# Altium PCB mod_duo_x_cb.PcbDoc (continued)
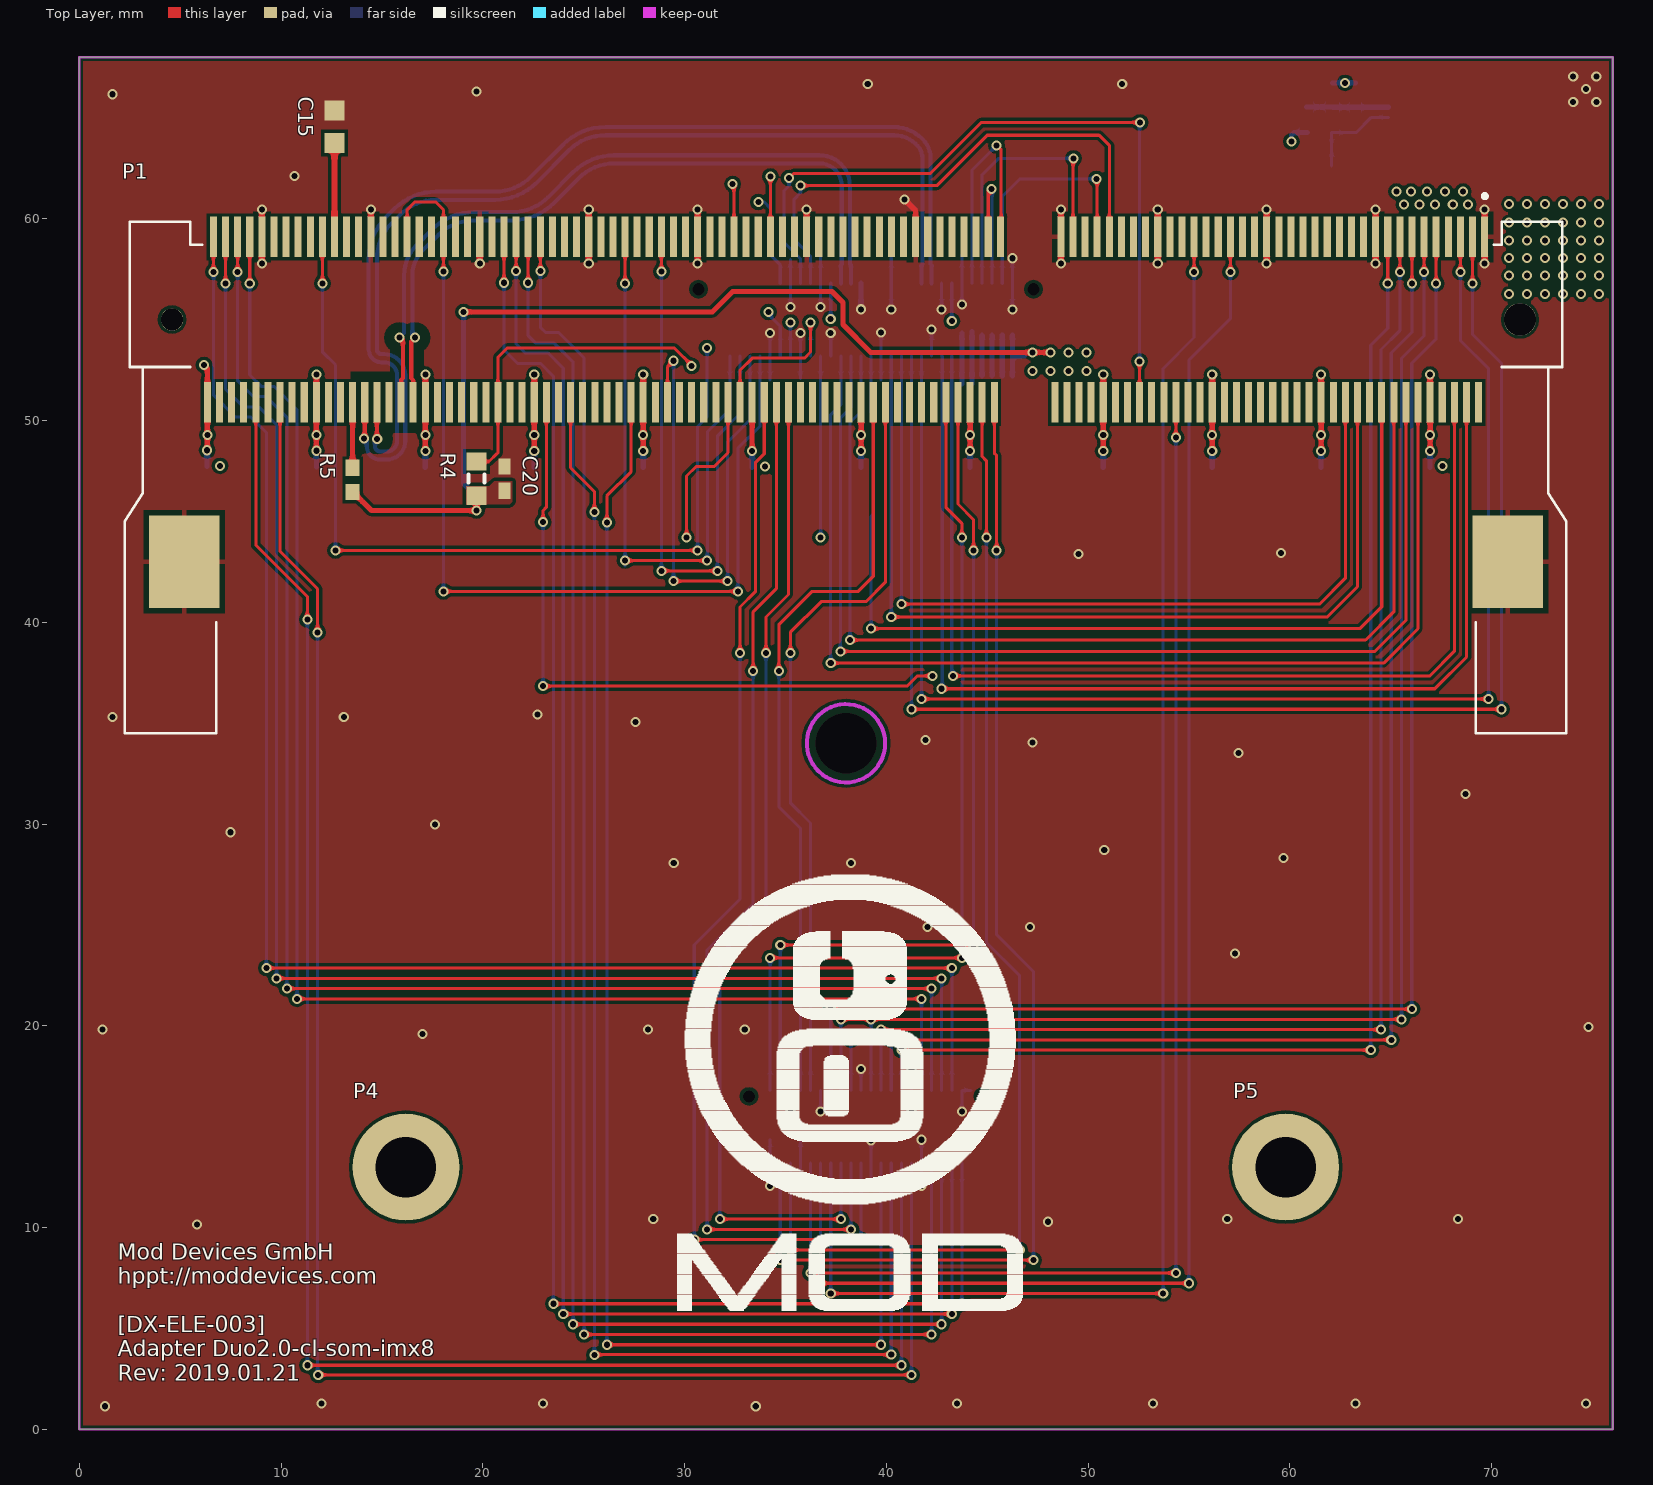
[diagram p0: Top Layer view]
## Footprints (in the part's own frame and the unit in brackets; to place one, negate y for a bottom-side part, rotate by r counter-clockwise, add the part's x,y. Pads: shape width x height; smd on the part's side, far side on the other; paste and mask are expansions set on the pad)
9774030243R [mm]
  round 5.3 smd paste-6: M(0.127,0)
  round 0 hole 3 unplated: M(0.127,0)
  body extent -2.05,-2.17 2.3,2.17, height 3
CAPC1005N [mm] "Chip Capacitor, Body 1.0x0.5mm, IPC Medium Density"
  rect 0.8x0.6 smd: 1(-0.6,0) 2(0.6,0)
  body extent -0.5,-0.25 0.5,0.25, height 0.6
CAPC1608N [mm] "Chip Capacitor, Body 1.6x0.8mm, IPC Medium Density"
  rect 1x1 smd: 1(-0.8,0) 2(0.8,0)
  body extent -0.8,-0.4 0.8,0.4, height 0.9
CAPC2012N [mm] "Chip Capacitor, Body 2.0x1.3mm, IPC Medium Density"
  rect 1.3x1.5 smd: 1(-0.85,0) 2(0.85,0)
  body extent -1,-0.62 1,0.63, height 1
DF12-40 [mm]
  rect 0.3x1.6 smd: 1(4.75,-1.8) 2(4.75,1.8) 3(4.25,-1.8) 4(4.25,1.8) 5(3.75,-1.8) 6(3.75,1.8) 7(3.25,-1.8) 8(3.25,1.8) 9(2.75,-1.8) 10(2.75,1.8) 11(2.25,-1.8) 12(2.25,1.8) 13(1.75,-1.8) 14(1.75,1.8) 15(1.25,-1.8) 16(1.25,1.8) 17(0.75,-1.8) 18(0.75,1.8) 19(0.25,-1.8) 20(0.25,1.8) 21(-0.25,-1.8) 22(-0.25,1.8) 23(-0.75,-1.8) 24(-0.75,1.8) 25(-1.25,-1.8) 26(-1.25,1.8) 27(-1.75,-1.8) 28(-1.75,1.8) 29(-2.25,-1.8) 30(-2.25,1.8) 31(-2.75,-1.8) 32(-2.75,1.8) 33(-3.25,-1.8) 34(-3.25,1.8) 35(-3.75,-1.8) 36(-3.75,1.8) 37(-4.25,-1.8) 38(-4.25,1.8) 39(-4.75,-1.8) 40(-4.75,1.8)
  rect 0.8x1.8 smd: M(-6.45,0) M(6.45,0)
  round 0 hole 0.6: M(-5.8,1.5) M(5.8,1.5)
  body extent -6.55,-2.31 6.55,2.29, height 2.2
DF12-60 [mm]
  rect 0.3x1.6 smd: 1(7.25,-1.8) 2(7.25,1.8) 3(6.75,-1.8) 4(6.75,1.8) 5(6.25,-1.8) 6(6.25,1.8) 7(5.75,-1.8) 8(5.75,1.8) 9(5.25,-1.8) 10(5.25,1.8) 11(4.75,-1.8) 12(4.75,1.8) 13(4.25,-1.8) 14(4.25,1.8) 15(3.75,-1.8) 16(3.75,1.8) 17(3.25,-1.8) 18(3.25,1.8) 19(2.75,-1.8) 20(2.75,1.8) 21(2.25,-1.8) 22(2.25,1.8) 23(1.75,-1.8) 24(1.75,1.8) 25(1.25,-1.8) 26(1.25,1.8) 27(0.75,-1.8) 28(0.75,1.8) 29(0.25,-1.8) 30(0.25,1.8) 31(-0.25,-1.8) 32(-0.25,1.8) 33(-0.75,-1.8) 34(-0.75,1.8) 35(-1.25,-1.8) 36(-1.25,1.8) 37(-1.75,-1.8) 38(-1.75,1.8) 39(-2.25,-1.8) 40(-2.25,1.8) 41(-2.75,-1.8) 42(-2.75,1.8) 43(-3.25,-1.8) 44(-3.25,1.8) 45(-3.75,-1.8) 46(-3.75,1.8) 47(-4.25,-1.8) 48(-4.25,1.8) 49(-4.75,-1.8) 50(-4.75,1.8) 51(-5.25,-1.8) 52(-5.25,1.8) 53(-5.75,-1.8) 54(-5.75,1.8) 55(-6.25,-1.8) 56(-6.25,1.8) 57(-6.75,-1.8) 58(-6.75,1.8) 59(-7.25,-1.8) 60(-7.25,1.8)
  rect 0.8x1.8 smd: M(-8.95,0) M(8.95,0)
  round 0 hole 0.6: M(-8.3,1.5) M(8.3,1.5)
  body extent -9.05,-2.3 9.05,2.3, height 2.2
DMQ0006A [mm]
  rect 0.6x0.25 smd paste+0 mask+0.051: 1(-0.65,0.5) 2(-0.65,0) 3(-0.65,-0.5)
  rect 1.1x0.3 smd paste-0.537 mask-0.051: 4(0.45,-0.5) 5(0.45,0) 6(0.45,0.5)
  silkscreen extent -0.75,-0.9 0.75,0.9, body extent -0.75,-0.75 0.75,0.75, height 1
IHLP-1212AE-11 [mm]
  rect 1.2x1.5 smd: 1(-1.35,0) 2(1.35,0)
  silkscreen extent -1.91,-1.65 1.91,1.65, body extent -1.8,-1.6 1.8,1.6, height 1.55
RESC1005N [mm] "Chip Resistor, Body 1.1x0.5mm, IPC Medium Density"
  rect 0.8x0.7 smd: 1(-0.6,0) 2(0.6,0)
  body extent -0.52,-0.3 0.52,0.3, height 0.34
RESC1608N [mm] "Chip Resistor, Body 1.6x0.8mm, IPC Medium Density"
  rect 0.9x1 smd: 1(-0.85,0) 2(0.85,0)
  silkscreen extent -0.2,-0.4 0.2,0.4, body extent -0.8,-0.45 0.8,0.45, height 0.5
TE_2-2013289-1 [mm]
  rect 2x0.35 smd: 1(-4.1,31.65) 2(4.1,31.35) 3(-4.1,31.05) 4(4.1,30.75) 5(-4.1,30.45) 6(4.1,30.15) 7(-4.1,29.85) 8(4.1,29.55) 9(-4.1,29.25) 10(4.1,28.95) 11(-4.1,28.65) 12(4.1,28.35) 13(-4.1,28.05) 14(4.1,27.75) 15(-4.1,27.45) 16(4.1,27.15) 17(-4.1,26.85) 18(4.1,26.55) 19(-4.1,26.25) 20(4.1,25.95) 21(-4.1,25.65) 22(4.1,25.35) 23(-4.1,25.05) 24(4.1,24.75) 25(-4.1,24.45) 26(4.1,24.15) 27(-4.1,23.85) 28(4.1,23.55) 29(-4.1,23.25) 30(4.1,22.95) 31(-4.1,22.65) 32(4.1,22.35) 33(-4.1,22.05) 34(4.1,21.75) 35(-4.1,21.45) 36(4.1,21.15) 37(-4.1,20.85) 38(4.1,20.55) 39(-4.1,20.25) 40(4.1,19.95) 41(-4.1,19.65) 42(4.1,19.35) 43(-4.1,19.05) 44(4.1,18.75) 45(-4.1,18.45) 46(4.1,18.15) 47(-4.1,17.85) 48(4.1,17.55) 49(-4.1,17.25) 50(4.1,16.95) 51(-4.1,16.65) 52(4.1,16.35) 53(-4.1,16.05) 54(4.1,15.75) 55(-4.1,15.45) 56(4.1,15.15) 57(-4.1,14.85) 58(4.1,14.55) 59(-4.1,14.25) 60(4.1,13.95) 61(-4.1,13.65) 62(4.1,13.35) 63(-4.1,13.05) 64(4.1,12.75) 65(-4.1,12.45) 66(4.1,12.15) 67(-4.1,11.85) 68(4.1,11.55) 69(-4.1,11.25) 70(4.1,10.95) 71(-4.1,10.65) 72(4.1,10.35) 73(-4.1,7.65) 74(4.1,7.35) 75(-4.1,7.05) 76(4.1,6.75) 77(-4.1,6.45) 78(4.1,6.15) 79(-4.1,5.85) 80(4.1,5.55) 81(-4.1,5.25) 82(4.1,4.95) 83(-4.1,4.65) 84(4.1,4.35) 85(-4.1,4.05) 86(4.1,3.75) 87(-4.1,3.45) 88(4.1,3.15) 89(-4.1,2.85) 90(4.1,2.55) 91(-4.1,2.25) 92(4.1,1.95) 93(-4.1,1.65) 94(4.1,1.35) 95(-4.1,1.05) 96(4.1,0.75) 97(-4.1,0.45) 98(4.1,0.15) 99(-4.1,-0.15) 100(4.1,-0.45) 101(-4.1,-0.75) 102(4.1,-1.05) 103(-4.1,-1.35) 104(4.1,-1.65) 105(-4.1,-1.95) 106(4.1,-2.25) 107(-4.1,-2.55) 108(4.1,-2.85) 109(-4.1,-3.15) 110(4.1,-3.45) 111(-4.1,-3.75) 112(4.1,-4.05) 113(-4.1,-4.35) 114(4.1,-4.65) 115(-4.1,-4.95) 116(4.1,-5.25) 117(-4.1,-5.55) 118(4.1,-5.85) 119(-4.1,-6.15) 120(4.1,-6.45) 121(-4.1,-6.75) 122(4.1,-7.05) 123(-4.1,-7.35) 124(4.1,-7.65) 125(-4.1,-7.95) 126(4.1,-8.25) 127(-4.1,-8.55) 128(4.1,-8.85) 129(-4.1,-9.15) 130(4.1,-9.45) 131(-4.1,-9.75) 132(4.1,-10.05) 133(-4.1,-10.35) 134(4.1,-10.65) 135(-4.1,-10.95) 136(4.1,-11.25) 137(-4.1,-11.55) 138(4.1,-11.85) 139(-4.1,-12.15) 140(4.1,-12.45) 141(-4.1,-12.75) 142(4.1,-13.05) 143(-4.1,-13.35) 144(4.1,-13.65) 145(-4.1,-13.95) 146(4.1,-14.25) 147(-4.1,-14.55) 148(4.1,-14.85) 149(-4.1,-15.15) 150(4.1,-15.45) 151(-4.1,-15.75) 152(4.1,-16.05) 153(-4.1,-16.35) 154(4.1,-16.65) 155(-4.1,-16.95) 156(4.1,-17.25) 157(-4.1,-17.55) 158(4.1,-17.85) 159(-4.1,-18.15) 160(4.1,-18.45) 161(-4.1,-18.75) 162(4.1,-19.05) 163(-4.1,-19.35) 164(4.1,-19.65) 165(-4.1,-19.95) 166(4.1,-20.25) 167(-4.1,-20.55) 168(4.1,-20.85) 169(-4.1,-21.15) 170(4.1,-21.45) 171(-4.1,-21.75) 172(4.1,-22.05) 173(-4.1,-22.35) 174(4.1,-22.65) 175(-4.1,-22.95) 176(4.1,-23.25) 177(-4.1,-23.55) 178(4.1,-23.85) 179(-4.1,-24.15) 180(4.1,-24.45) 181(-4.1,-24.75) 182(4.1,-25.05) 183(-4.1,-25.35) 184(4.1,-25.65) 185(-4.1,-25.95) 186(4.1,-26.25) 187(-4.1,-26.55) 188(4.1,-26.85) 189(-4.1,-27.15) 190(4.1,-27.45) 191(-4.1,-27.75) 192(4.1,-28.05) 193(-4.1,-28.35) 194(4.1,-28.65) 195(-4.1,-28.95) 196(4.1,-29.25) 197(-4.1,-29.55) 198(4.1,-29.85) 199(-4.1,-30.15) 200(4.1,-30.45) 201(-4.1,-30.75) 202(4.1,-31.05) 203(-4.1,-31.35) 204(4.1,-31.65)
  round 1.6 hole 1.6 unplated: None(0,33.4)
  round 1.1 hole 1.1 unplated: None(0,-33.4)
  rect 4.6x3.5 smd: SH1(12,32.8) SH2(12,-32.8)
  silkscreen extent -6.22,-35.75 20.5,35.7, body extent -5,-35.8 21.54,35.8, height 5.5
TP_1_MM [mm]
  round 1 smd: 1(0,0)

## Part data
C1 C2 C3 C4 C5 C6 C7 C8 C9 C10 C11 C19 C20: library part GRM155R71H104KE14D, "CAP CER 0.1UF 50V X7R 0402"
C12 C13 C14 C18: library part C2012X7R1A106K125AC, "CAP CER 10UF 10V X7R 0805"
C15: library part LMK107BJ475KAHT, "CAP CER 4.7UF 10V X5R 0603"
C16: library part GRM1555C1H121FA01D, "CAP CER 120PF 50V C0G/NP0 0402"
C17: library part C2012X5R1E475K125AB, "CAP CER 4.7UF 25V X5R 0805"
L1: library part IHLP1212AEERR47M11, "FIXED IND 470NH 6.7A 15 MOHM SMD"
P1: "CONN SKT SODIMM 204POS SMD"
P2: "CONN RECEPT 60POS 3MM SMD 0.5MM"
P3: "CONN RECEPT 40POS 3MM SMD 0.5MM"
P4 P5: "ROUND STANDOFF M2X0.4 STEEL 3MM"
R1: library part RC0402FR-07604KL, "RES SMD 604K OHM 1% 1/16W 0402"
R2 R3 R5: library part RC0402FR-07100KL, "RES SMD 100K OHM 1% 1/16W 0402"
R4: library part ERJ-3GEY0R00V, "RES SMD 0 OHM JUMPER 1/10W 0603"
U1: library part IC_TPS62825DMQR, "IC STEP DOWN CONV 1-5V 2A QFN"

## Free pads (board coordinates)
  round 0 hole 3 unplated: M(38,34)

## Via types
v1: diameter 0.5, hole 0.3, Top Layer to Bottom Layer, tented both sides, 326 vias

## Nets (pads, with @x,y where several pads share a name; then routed paths per layer and width w, separated by ;. In a path a pad name is that pad's centre, name@x,y a point inside that pad or via, vN(x,y) a via of type N, cw(c..) or ccw(c..) an arc to the next point about the centre after c; other vN are vias at no path point)
+4V2: C1.2 C2.2 C3.2 C4.2 C5.2 C6.2 C7.2 C8.2 C9.2 C10.2 C11.2 C12.2 C13.2 C14.2 C16.2 C18.2 C19.2 L1.2 P1.10 P1.28 P1.46 P1.64 P1.78 P1.96 P1.114 P1.132 P1.150 P1.168 P1.186 P1.204 R1.2 | length 52.7
  Top Layer w0.254: v1(6.183,52.748) 6.35,52.581 P1.204 v1(6.35,49.276) 6.35,48.534 v1(6.34,48.524) ; v1(11.75,48.497) v1(11.75,52.287) ; v1(17.15,48.482) P1.168 v1(17.15,52.272) ; v1(22.55,48.482) P1.150 v1(22.55,52.272) ; v1(27.95,48.482) P1.132 v1(27.95,52.272) ; v1(33.35,48.482) P1.114 ; v1(38.75,48.482) P1.96 ; v1(44.15,48.482) P1.78 ; v1(50.75,48.482) P1.64 v1(50.75,52.272) ; v1(56.15,48.482) P1.46 v1(56.15,52.272) ; v1(61.55,48.482) P1.28 v1(61.55,52.272) ; v1(66.95,48.482) P1.10 v1(66.95,52.272)
  Bottom Layer w0.254: C1.2 v1(6.34,48.524) ; C2.2 v1(11.75,48.497) ; C3.2 v1(17.15,48.482) ; C4.2 v1(22.55,48.482) ; C5.2 v1(27.95,48.482) ; C6.2 v1(33.35,48.482) ; C7.2 v1(38.75,48.482) ; C8.2 v1(44.15,48.482) ; C9.2 v1(50.75,48.482) ; C10.2 v1(56.15,48.482) ; C11.2 v1(61.55,48.482) ; R1.2 63.238,66.732 C16.2 ; C19.2 v1(66.95,48.482)
  other v1: 33.989,47.71 6.979,47.752 67.564,47.752 11.75,49.276 17.15,49.276 22.55,49.276 27.94,49.276 38.75,49.276 44.15,49.276 50.75,49.276 56.134,49.276 61.55,49.276 66.95,49.276 70.866,56.261 71.755,56.261 72.644,56.261 73.533,56.261 74.422,56.261 75.311,56.261 70.866,57.18 71.755,57.18 72.644,57.18 73.533,57.18 74.422,57.18 75.311,57.18 70.866,58.053 71.755,58.053 72.644,58.053 73.533,58.053 74.422,58.053 75.311,58.053 70.866,58.928 71.755,58.928 72.644,58.928 73.533,58.928 74.422,58.928 75.311,58.928 70.866,59.801 71.755,59.801 72.644,59.801 73.533,59.801 74.422,59.801 75.311,59.801 70.866,60.72 71.755,60.72 72.644,60.72 73.533,60.72 74.422,60.72 75.311,60.72 62.738,66.732
+5V: C17.2 C20.2 P2.53 P2.55 P2.57 P2.59 R2.1 R4.2 R5.2 U1.1 U1.6 | length 58.7
  Top Layer w0.254: R5.2 14.479,45.53 v1(19.685,45.53) R4.2 ; v1(19.05,55.372) 31.369,55.372 32.385,56.388 37.303,56.388 37.85,55.841 37.85,54.749 39.229,53.37 v1(47.244,53.37) v1(48.133,53.37)
  Bottom Layer w0.254: v1(19.05,55.372) 19.05,46.874 19.685,46.239 v1(19.685,45.53) ; 44.742,52.197 P2.53 44.742,54.229 ; 45.242,52.197 P2.55 45.242,54.229 ; 45.742,52.197 P2.57 45.742,54.229 ; 46.243,52.197 P2.59 ; 46.243,54.229 P2.59 ; 46.851,53.201 P2.59 ; v1(60.071,63.819) 60.071,64.135 60.198,64.262 R2.1
  other v1: 47.244,52.451 48.133,52.451 49.022,52.451 49.911,52.451 49.022,53.37 49.911,53.37 65.659,60.706 66.421,60.706 67.183,60.706 68.072,60.706 68.834,60.706 65.279,61.341 66.001,61.341 66.802,61.341 67.691,61.341 68.58,61.341
ALT_BOOT: P1.185 P2.14 | length 57.7
  Top Layer w0.152: v1(12.05,56.795) P1.185 ; v1(12.7,43.561) v1(30.65,43.561)
  VCC w0.152: v1(31.115,53.594) 31.115,54.102 31.516,54.503 32.913,54.503 33.655,55.245 v1(33.655,60.832)
  Bottom Layer w0.152: v1(12.05,56.795) 12.05,53.406 12.7,52.756 v1(12.7,43.561) ; v1(30.65,43.561) 30.65,49.7 31.115,50.165 v1(31.115,53.594) ; v1(33.655,60.832) 33.938,60.832 34.25,60.52 34.25,58.206 34.742,57.714 P2.14
AVDD33_ETH: P1.2
CHAIN_UART_DE: P1.75 P2.56 | length 7.1
  Top Layer w0.152: P1.75 45.05,61.306 v1(45.212,61.468)
  Bottom Layer w0.152: P2.56 v1@45.242,61.498
CHAIN_UART_RE: P1.73 P2.52 | length 12
  Top Layer w0.152: v1(45.466,63.627) 45.691,63.402 45.691,59.141 P1.73
  Bottom Layer w0.152: P2.52 44.242,62.403 v1(45.466,63.627)
CHAIN_UART_RX: P1.69 P2.54 | length 14.1
  Top Layer w0.152: P1.69 v1@49.25,62.992
  Bottom Layer w0.152: P2.54 44.733,56.81 44.733,62.158 45.568,62.992 v1(49.276,62.992)
CHAIN_UART_TX: P1.65 P2.58 | length 12.2
  Top Layer w0.152: P1.65 v1@50.45,61.976
  Bottom Layer w0.152: P2.58 45.742,61.095 46.624,61.976 v1(50.419,61.976)
CLI_UART_RX: P1.117 P2.13 | length 13.1
  Top Layer w0.152: v1(32.385,61.722) 32.45,61.657 P1.117
  VCC w0.152: v1(32.385,61.722) 33.782,61.722 34.29,61.214 34.29,55.499 v1(34.163,55.372)
  Bottom Layer w0.152: v1(34.163,55.372) 34.163,55.245 34.742,54.666 P2.13
CLI_UART_TX: P1.111 P2.15 | length 12.3
  Top Layer w0.152: P1.111 v1(34.25,62.095)
  VCC w0.152: v1(34.25,62.095) 34.764,61.582 34.764,55.343 v1(35.242,54.864)
  Bottom Layer w0.152: P2.15 v1(35.242,54.864)
CODEC_I2C_SCL: P1.43 P3.11 | length 76.9
  Top Layer w0.152: v1(36.743,7.239) v1(54.991,7.239) ; v1(57.05,57.358) P1.43
  Bottom Layer w0.152: v1(36.743,7.239) P3.11 ; v1(54.991,7.239) 54.991,52.977 57.05,55.036 v1(57.05,57.358)
CODEC_I2C_SDA: P1.49 P3.13 | length 76
  Top Layer w0.152: v1(37.243,6.731) v1(53.721,6.731) ; v1(55.25,57.358) P1.49
  Bottom Layer w0.152: v1(37.243,6.731) P3.13 ; v1(53.721,6.731) 53.721,52.578 55.25,54.107 v1(55.25,57.358)
CODEC_I2S_BCLK: P1.112 P3.19 | length 55
  Top Layer w0.152: v1(30.48,9.398) v1(38.75,9.398) ; v1(32.75,38.481) 32.75,40.751 33.51,41.511 33.51,47.908 33.95,48.348 P1.112
  Bottom Layer w0.152: v1(30.48,9.398) 30.48,24.003 32.75,26.273 v1(32.75,38.481) ; P3.19 38.743,9.405 v1(38.75,9.398)
CODEC_I2S_LRCK: P1.110 P3.17 | length 52.8
  Top Layer w0.152: v1(31.115,9.906) v1(38.243,9.906) ; v1(33.401,37.592) 33.401,40.513 34.55,41.662 P1.110
  Bottom Layer w0.152: v1(31.115,9.906) 31.115,23.749 33.401,26.035 v1(33.401,37.592) ; v1(38.243,9.906) P3.17
CODEC_I2S_MCLK: P1.108 P3.15 | length 50.7
  Top Layer w0.152: v1(31.75,10.414) v1(37.743,10.414) ; v1(34.036,38.481) 34.036,40.259 35.15,41.373 P1.108
  Bottom Layer w0.152: v1@31.743,10.414 31.743,23.488 34.036,25.781 v1(34.036,38.481) ; v1(37.743,10.414) P3.15
CODEC_I2S_SDIN: P1.144 P3.25 | length 71.9
  Top Layer w0.152: P1.144 24.35,47.659 25.527,46.482 v1(25.527,45.466) ; v1(25.527,3.683) 25.543,3.699 v1(40.243,3.699)
  Bottom Layer w0.152: v1(25.527,3.683) v1(25.527,45.466) ; v1(40.243,3.699) P3.25
CODEC_I2S_SDOUT: P1.134 P3.23 | length 69.8
  Top Layer w0.152: v1(26.151,4.192) v1(39.743,4.192) ; v1(26.15,44.946) 26.15,46.263 27.35,47.463 P1.134
  Bottom Layer w0.152: v1(26.151,4.192) v1(26.15,44.946) ; v1(39.743,4.192) P3.23
CODEC_I2S_SPDIF_SDIN: P1.196 P3.27 | length 88.2
  Top Layer w0.152: P1.196 8.75,43.828 11.303,41.275 v1(11.303,40.132) ; v1(11.303,3.175) v1(40.743,3.175)
  Bottom Layer w0.152: v1(11.303,3.175) v1(11.303,40.132) ; v1(40.743,3.175) P3.27
CODEC_MUTEC: P1.192 P3.29 | length 88.9
  Top Layer w0.152: P1.192 9.95,43.517 11.811,41.656 v1(11.811,39.497) ; v1(11.843,2.696) 41.24,2.696 v1(41.243,2.699)
  Bottom Layer w0.152: v1@11.811,2.699 v1(11.811,39.497) ; v1(41.243,2.699) P3.29
CODEC_RESET: P1.52 P3.9 | length 66.7
  Top Layer w0.152: v1(36.243,7.747) v1(54.356,7.747) ; v1(54.35,49.158) P1.52
  Bottom Layer w0.152: v1(36.243,7.747) P3.9 ; v1@54.35,7.747 v1(54.35,49.158)
COLD_RESET_IN: P1.165 P1.171 P2.9 | length 49.1
  Top Layer w0.152: P1.171 16.25,60.446 16.637,60.833 17.653,60.833 18.05,60.436 P1.165 v1(18.05,57.374) ; v1(18.05,41.529) v1(32.639,41.529)
  Bottom Layer w0.152: v1(18.05,41.529) v1(18.05,57.374) ; v1(32.639,41.529) 32.639,48.62 33.743,49.723 P2.9
CSI_P1_CKN: P1.109
CSI_P1_CKP: P1.107
CSI_P1_DN0: P1.85
CSI_P1_DN1: P1.91
CSI_P1_DN2: P1.103
CSI_P1_DN3: P1.113
CSI_P1_DP0: P1.83
CSI_P1_DP1: P1.89
CSI_P1_DP2: P1.101
CSI_P1_DP3: P1.115
CV_ADC_CS: P1.17 P3.28 | length 65.9
  Top Layer w0.152: v1(40.743,18.796) v1(64.008,18.796) ; v1(64.85,56.78) P1.17
  Bottom Layer w0.152: P3.28 v1(40.743,18.796) ; v1(64.008,18.796) 64.008,53.721 64.85,54.563 v1(64.85,56.78)
CV_ADC_DIN: P1.11 P3.16 P3.22 | length 74.1
  Top Layer w0.152: v1(37.743,20.32) v1(39.243,20.32) v1(65.532,20.32) ; v1(66.65,57.358) P1.11
  Bottom Layer w0.152: P3.16 v1(37.743,20.32) ; P3.22 v1(39.243,20.32) ; v1(65.532,20.32) 65.532,53.076 66.65,54.194 v1(66.65,57.358)
CV_ADC_DOUT: P1.15 P3.24 | length 67.5
  Top Layer w0.152: v1(39.743,19.812) v1(64.516,19.812) ; v1(65.45,57.358) P1.15
  Bottom Layer w0.152: P3.24 v1(39.743,19.812) ; v1(64.516,19.812) 64.516,53.514 65.45,54.448 v1(65.45,57.358)
CV_ADC_SCLK: P1.13 P3.18 P3.26 | length 72
  Top Layer w0.152: v1(38.243,19.304) v1(40.243,19.304) v1(65.024,19.304) ; v1(66.05,56.78) P1.13
  Bottom Layer w0.152: P3.18 v1(38.243,19.304) ; P3.26 v1(40.243,19.304) ; v1(65.024,19.304) 65.024,53.34 66.05,54.366 v1(66.05,56.78)
CV_DAC_CS: P1.9 P3.14 | length 71.6
  Top Layer w0.152: v1(37.242,20.828) v1(66.05,20.828) ; v1(67.25,56.78) P1.9
  Bottom Layer w0.152: P3.14@37.242,16.802 v1(37.242,20.828) ; v1@66.04,20.828 66.04,52.832 67.25,54.042 v1(67.25,56.78)
CV_IN_BIAS: P1.4 P2.45 | length 55.8
  Top Layer w0.152: v1(42.743,36.703) 67.183,36.703 68.75,38.27 P1.4
  Bottom Layer w0.152: v1(42.743,36.703) 42.77,36.73 42.77,53.174 P2.45
CV_IN_DET: P1.6 P2.47 | length 53.6
  Top Layer w0.152: v1(43.307,37.338) 66.929,37.338 68.15,38.559 P1.6
  Bottom Layer w0.152: v1@43.242,37.339 P2.47 ; v1@43.243,37.338 v1(43.307,37.338)
CV_OUT_BIAS: P1.92 P3.10 | length 37.8
  Top Layer w0.152: v1(35.242,38.482) 35.242,39.497 36.766,41.021 38.989,41.021 39.95,41.982 P1.92
  Bottom Layer w0.152: v1(35.242,38.482) 35.242,31.052 36.243,30.051 P3.10
ECSPI3_MISO: P1.63 P2.20 | length 26.4
  Top Layer w0.152: v1(35.742,61.638) 42.496,61.638 44.993,64.135 50.546,64.135 51.05,63.631 P1.63
  Bottom Layer w0.152: v1(35.742,61.638) 35.742,61.277 35.433,60.968 35.433,58.961 36.243,58.152 P2.20
EEPROM_WP: P1.189
ETH1_LED1_SPD: P1.16 P2.29 | length 52.2
  Top Layer w0.152: v1(38.196,39.116) 63.754,39.116 65.15,40.512 P1.16
  Bottom Layer w0.152: v1(38.196,39.116) 38.196,49.896 38.743,50.443 P2.29
ETH1_LED3: P1.22 P2.35 | length 45.8
  Top Layer w0.152: v1(40.243,40.259) 61.849,40.259 63.35,41.76 P1.22
  Bottom Layer w0.152: v1(40.243,40.259) P2.35
ETH1_MDI0P: P1.8
ETH1_MDI1N: P1.12 P2.25 | length 56.5
  Top Layer w0.152: v1(37.243,37.974) 64.643,37.973 66.35,39.68 P1.12
  Bottom Layer w0.152: v1(37.243,37.974) 37.24,37.976 37.24,50.283 37.743,50.786 P2.25
ETH1_MDI1P: P1.14 P2.27 | length 54.3
  Top Layer w0.152: v1(37.719,38.559) 64.213,38.559 65.75,40.096 P1.14
  Bottom Layer w0.152: v1(37.719,38.559) 37.717,38.561 37.717,38.918 ; 37.719,38.916 37.717,38.918 ; P2.27 38.242,50.627 37.717,50.102 37.717,38.918
ETH1_MDI2N: P1.18 P2.31 | length 49.9
  Top Layer w0.152: v1(39.243,39.68) 63.465,39.68 64.55,40.765 P1.18
  Bottom Layer w0.152: v1(39.243,39.68) 39.242,45.249 39.37,45.377 39.37,50.254 39.242,50.382 ; 39.242,50.8 39.242,50.382 ; P2.31 39.242,50.382
ETH1_MDI2P: P1.20
ETH1_MDI3N: P1.24 P2.37 | length 43.6
  Top Layer w0.152: v1(40.742,40.894) 61.469,40.894 62.75,42.175 P1.24
  Bottom Layer w0.152: v1(40.742,40.894) P2.37
ETH1_MDI3P: P1.26
EXP_EN1: P1.203 P3.38 | length 77.8
  Top Layer w0.152: v1(6.65,57.358) P1.203 ; v1(9.271,22.86) v1(43.243,22.86)
  Bottom Layer w0.152: v1(6.65,57.358) 6.662,57.346 6.662,51.25 7.747,50.165 8.509,50.165 9.271,49.403 v1(9.271,22.86) ; P3.38 v1(43.243,22.86)
EXP_EN2: P1.197 P3.32 | length 74.6
  Top Layer w0.152: v1(8.45,56.78) P1.197 ; v1(10.795,21.336) v1(41.743,21.336)
  Bottom Layer w0.152: v1(8.45,56.78) 8.45,52.256 9.017,51.689 9.652,51.689 10.795,50.546 v1(10.795,21.336) ; P3.32 v1(41.743,21.336)
EXP_FLAG1: P1.201 P3.36 | length 76.8
  Top Layer w0.152: v1(7.25,56.78) P1.201 ; v1(9.779,22.352) v1(42.743,22.352)
  Bottom Layer w0.152: v1(7.25,56.78) 7.25,51.551 8.128,50.673 8.89,50.673 9.779,49.784 v1(9.779,22.352) ; P3.36 v1(42.743,22.352)
EXP_FLAG2: P1.199 P3.34 | length 75.6
  Top Layer w0.152: v1(7.85,57.358) P1.199 ; v1(10.287,21.844) v1(42.243,21.844)
  Bottom Layer w0.152: v1(7.85,57.358) 7.85,51.967 8.636,51.181 9.271,51.181 10.287,50.165 v1(10.287,21.844) ; P3.34 v1(42.243,21.844)
GND: C1.1 C2.1 C3.1 C4.1 C5.1 C6.1 C7.1 C8.1 C9.1 C10.1 C11.1 C12.1 C13.1 C14.1 C15.1 C17.1 C18.1 C19.1 C20.1 P1.1 P1.19 P1.37 P1.55 P1.71 P1.87 P1.105 P1.123 P1.141 P1.159 P1.177 P1.195 P1.SH1 P1.SH2 P2.11 P2.16 P2.17 P2.22 P2.23 P2.30 P2.33 P2.36 P2.43 P2.46 P2.49 P2.50 P2.51 P2.60 P3.1 P3.6 P3.7 P3.12 P3.20 P3.21 P3.30 P3.31 P3.40 R3.1 U1.4 | length 73.5
  Top Layer w0.254: v1(9.05,57.785) P1.195 v1(9.05,60.452) ; P1.177 v1(14.45,60.452) ; v1(19.85,57.785) P1.159 ; v1(25.25,57.785) P1.141 v1(25.25,60.452) ; v1(30.65,57.785) P1.123 v1(30.65,60.452) ; P1.105 v1(36.05,60.452) ; v1(40.894,60.96) 41.45,60.404 P1.87 ; v1(48.65,57.785) P1.71 v1(48.65,60.452) ; v1(53.45,57.785) P1.55 v1(53.45,60.452) ; v1(58.85,57.785) P1.37 v1(58.85,60.452) ; v1(64.25,57.785) P1.19 v1(64.25,60.452) ; v1(69.65,57.785) P1.1 v1(69.65,60.452)
  Bottom Layer w0.152: 33.676,13.201 P3.1 ; P2.11@34.207,53.201 P2.11 ; v1(34.243,12.066) P3.1 ; 34.243,14.351 P3.1 ; 34.242,51.997 P2.11 ; v1(34.242,54.325) P2.11 ; v1(35.243,15.748) P3.6 ; v1(35.242,55.627) P2.16 35.242,57.965 ; v1(35.743,12.065) P3.7 35.743,14.351 ; 35.742,52.07 P2.17 v1(35.742,54.325) ; v1(36.743,15.748) P3.12 ; v1(36.742,55.626) P2.22 36.742,58.206 ; P2.23 v1(37.242,54.325) ; P3.20 v1(38.743,17.854) ; v1(39.243,12.065) P3.21 v1(39.243,14.304) ; 39.742,51.997 P2.33 v1(39.742,54.356) ; v1(40.243,55.499) P2.36 40.243,58.053 ; v1(41.243,15.748) P3.30 v1(41.243,17.854) ; v1(41.743,12.065) P3.31 v1(41.743,14.351) ; P2.43 v1(42.243,54.503) ; v1(42.742,55.499) P2.46 ; v1(43.743,15.748) P3.40 44.196,16.801 ; v1(43.743,55.753) P2.50 43.743,58.241 ; v1(46.243,55.499) P2.60 v1(46.243,58.039)
  Bottom Layer w0.254: v1(38.743,55.509) P2.30 ; 43.743,51.817 P2.49 43.743,54.321 ; 44.242,51.816 P2.51 44.242,54.406
  other v1: 1.27,1.143 33.528,1.143 12,1.27 22.987,1.27 43.51,1.27 53.213,1.27 63.246,1.27 74.676,1.27 5.842,10.16 48.006,10.287 28.448,10.414 56.896,10.414 68.326,10.414 17.018,19.594 1.143,19.812 28.194,19.825 32.983,19.825 74.803,19.941 57.277,23.591 42.033,24.892 47.117,24.892 29.464,28.067 38.242,28.067 59.69,28.321 50.8,28.702 7.493,29.591 17.64,29.972 68.707,31.496 57.46,33.528 47.244,34.036 41.941,34.163 27.571,35.052 1.651,35.306 13.11,35.306 22.708,35.433 49.53,43.373 59.563,43.434 10.668,62.122 74.041,65.786 75.184,65.786 1.651,66.167 19.685,66.294 74.676,66.421 39.078,66.675 51.689,66.675 74.041,67.056 75.184,67.056
GPIO1_IO_19: P1.62
GPIO2_IO_19: P1.154
GPIO3_IO_0: P1.104
GPIO3_IO_1: P1.98
GPIO3_IO_2: P1.100
GPIO3_IO_5: P1.147
GPIO3_IO_6: P1.74 P3.3 | length 60.7
  Top Layer w0.152: v1(34.743,8.382) v1(47.293,8.382) ; P1.74 45.35,48.376 45.466,48.26 v1(45.466,43.561)
  Bottom Layer w0.152: v1(34.743,8.382) P3.3 ; v1(45.466,43.561) 45.466,24.511 47.293,22.684 v1(47.293,8.382)
GPIO3_IO_7: P1.76 P3.5 | length 58.5
  Top Layer w0.152: v1(35.243,8.89) v1(46.609,8.89) ; P1.76 44.75,48.214 44.958,48.006 v1(44.958,44.196)
  Bottom Layer w0.152: v1(35.243,8.89) P3.5 ; v1(44.958,44.196) 44.958,24.13 46.609,22.479 v1(46.609,8.89)
GPIO3_IO_9: P1.94 P3.8 | length 37.8
  Top Layer w0.152: v1(34.671,37.592) 34.671,39.878 36.322,41.529 38.608,41.529 39.35,42.271 P1.94
  Bottom Layer w0.152: v1(34.671,37.592) 34.671,30.861 35.743,29.789 P3.8
GPIO3_IO_10: P1.155 P3.39 | length 81.8
  Top Layer w0.152: v1(21.05,56.825) P1.155 P1.155@21.05,59.145 ; v1(23.495,6.223) v1(43.743,6.223)
  Bottom Layer w0.152: v1(21.05,56.825) 21.05,53.499 21.717,52.832 22.86,52.832 23.495,52.197 v1(23.495,6.223) ; v1(43.743,6.223) P3.39
GPIO3_IO_11: P1.153 P3.37 | length 81.8
  Top Layer w0.152: v1(21.65,57.403) P1.153 P1.153@21.65,59.145 ; v1(23.988,5.715) v1(43.243,5.715)
  Bottom Layer w0.152: v1(21.65,57.403) 21.65,53.788 22.098,53.34 23.241,53.34 23.988,52.593 v1(23.988,5.715) ; v1(43.243,5.715) P3.37
GPIO3_IO_12: P1.151 P3.35 | length 81.7
  Top Layer w0.152: v1(22.25,56.825) P1.151 P1.151@22.25,59.145 ; v1(24.478,5.207) v1(42.743,5.207)
  Bottom Layer w0.152: v1(22.25,56.825) 22.25,54.204 22.606,53.848 23.513,53.848 24.478,52.883 v1(24.478,5.207) ; v1(42.743,5.207) P3.35
GPIO3_IO_13: P1.149 P3.33 | length 81.5
  Top Layer w0.152: v1(22.85,57.403) P1.149 P1.149@22.85,59.145 ; v1(25.019,4.699) v1(42.243,4.699)
  Bottom Layer w0.152: v1(22.85,57.403) 22.85,54.62 23.114,54.356 23.767,54.356 25.019,53.104 v1(25.019,4.699) ; v1(42.243,4.699) P3.33
GPIO3_IO_14: P1.102
GPIO3_IO_15: P1.157
GPIO3_IO_16: P1.124
GPIO3_IO_17: P1.60
GPIO3_IO_18: P1.81
GPIO3_IO_20: P1.146
GPIO3_IO_21: P1.148 P2.48 | length 53.5
  Top Layer w0.152: v1(22.987,36.83) 41.021,36.83 41.529,37.338 v1(42.291,37.338) ; v1(22.987,44.958) 22.987,45.53 23.15,45.693 P1.148
  VCC w0.152: v1(42.291,37.338) 42.291,53.875 43.242,54.826 v1(43.242,54.929)
  Bottom Layer w0.152: v1(22.987,36.83) v1(22.987,44.958) ; v1(43.242,54.929) P2.48
GPIO3_IO_22: P1.126
GPIO3_IO_25: P1.142
GPIO5_IO_4: P1.198
GPIO5_IO_5: P1.200
HDMI_AUXN: P1.27
HDMI_AUXP: P1.29
HDMI_CEC: P1.34
HDMI_CLKN: P1.32
HDMI_CLKP: P1.30
HDMI_DDC_SCL: P1.25
HDMI_DDC_SDA: P1.31
HDMI_HPD: P1.40
HDMI_TXN0: P1.38
HDMI_TXN1: P1.44
HDMI_TXN2: P1.50
HDMI_TXP0: P1.36
HDMI_TXP1: P1.42
HDMI_TXP2: P1.48
HMI_ISP_UART_RX: P1.5 P2.41 | length 68.6
  Top Layer w0.152: v1(41.743,36.195) v1(69.85,36.195) ; v1(68.45,57.358) P1.5
  Bottom Layer w0.152: v1(41.743,36.195) P2.41 ; v1(68.45,57.358) 68.45,53.966 69.85,52.566 v1(69.85,36.195)
HMI_ISP_UART_TX: P1.3 P2.39 | length 70.8
  Top Layer w0.152: v1(41.243,35.687) v1(70.485,35.687) ; v1(69.05,56.78) P1.3
  Bottom Layer w0.152: v1(41.243,35.687) P2.39 ; v1(69.05,56.78) 69.05,54.267 70.485,52.832 v1(70.485,35.687)
HMI_RFU_UART_RX: P1.118 P2.21 | length 23.7
  Top Layer w0.152: v1(30.099,44.196) 30.099,47.244 30.565,47.71 31.454,47.71 32.15,48.406 P1.118
  VCC w0.152: v1(30.099,44.196) v1(36.743,44.196)
  Bottom Layer w0.152: v1(36.743,44.196) P2.21
HMI_RFU_UART_TX: P1.116 P2.19 | length 8.6
  Top Layer w0.152: P1.116 32.75,52.486 33.35,53.086 35.941,53.086 36.243,53.388 v1(36.243,54.864)
  Bottom Layer w0.152: P2.19 v1(36.243,54.864)
HP_CLOCK: P1.82 P3.2 | length 44
  Top Layer w0.152: v1(34.242,23.368) v1(43.743,23.368) ; P1.82 42.95,45.696 43.743,44.903 v1(43.743,44.196)
  Bottom Layer w0.152: P3.2 v1(34.242,23.368) ; v1(43.743,23.368) 43.743,37.097 43.786,37.14 43.786,37.536 43.743,37.579 v1(43.743,44.196)
HP_UP/DW: P1.80 P3.4 | length 44
  Top Layer w0.152: v1(34.743,24.003) v1(44.323,24.003) ; P1.80 43.55,45.858 44.323,45.085 v1(44.323,43.561)
  Bottom Layer w0.152: P3.4 v1(34.743,24.003) ; v1(44.323,24.003) v1(44.323,43.561)
I2C1_SCL: P1.129 P2.5 | length 30.4
  Top Layer w0.152: v1(28.85,42.545) v1(31.623,42.545) ; v1(28.85,57.374) P1.129
  Bottom Layer w0.152: v1(28.85,42.545) v1(28.85,57.374) ; v1(31.623,42.545) 31.623,49.221 32.742,50.341 P2.5
I2C1_SDA: P1.135 P2.3 | length 31
  Top Layer w0.152: v1(27.05,43.053) v1(31.115,43.053) ; v1(27.05,56.795) P1.135
  Bottom Layer w0.152: 27.05,42.798 v1(27.05,43.053) v1(27.05,56.795) ; v1(31.115,43.053) 31.129,43.067 31.129,49.424 32.242,50.538 P2.3
JTAG_MOD: P1.54
JTAG_NTRST: P1.56
JTAG_TCK: P1.66
JTAG_TDI: P1.70
JTAG_TDO: P1.72
JTAG_TMS: P1.68
LVDS0_CLK_N: P1.35
LVDS0_CLK_P: P1.33
LVDS0_TX0_N: P1.41
LVDS0_TX0_P: P1.39
LVDS0_TX1_N: P1.47
LVDS0_TX1_P: P1.45
LVDS0_TX2_N: P1.53
LVDS0_TX2_P: P1.51
LVDS0_TX3_N: P1.59
LVDS0_TX3_P: P1.57
LVDS1_CLK_N: P1.79
LVDS1_CLK_P: P1.77
LVDS1_TX0_N: P1.23
LVDS1_TX0_P: P1.21
LVDS1_TX1_N: P1.95
LVDS1_TX1_P: P1.93
LVDS1_TX2_N: P1.99
LVDS1_TX2_P: P1.97
LVDS1_TX3_N: P1.163
LVDS1_TX3_P: P1.161
MICBIAS: P1.191
MICIN: P1.193
MIDI_UART_TX: P1.58 P2.18 | length 38.1
  Top Layer w0.152: v1(35.179,62.014) 35.395,62.23 42.164,62.23 44.704,64.77 v1(52.578,64.77) ; P1.58 v1(52.55,52.931)
  Bottom Layer w0.152: v1(35.179,62.014) 35.179,61.638 34.925,61.384 34.925,58.834 35.742,58.017 P2.18 ; v1(52.55,52.931) 52.55,64.742 v1(52.578,64.77)
NetC16_1: C16.1 R1.1 R3.2 U1.3 | length 4.1
  Bottom Layer w0.254: R3.2 R1.1 62.111,65.524 C16.1 U1.3
NetL1_1: L1.1 U1.5
NetR2_2: R2.2 TP1.1 U1.2 | length 4.8
  Bottom Layer w0.152: TP1.1 R2.2 63.274,64.262 64.036,65.024 U1.2
PCIE1_REF_CLKN: P1.121
PCIE1_REF_CLKP: P1.119
PCIE1_RXN_N: P1.133
PCIE1_RXN_P: P1.131
PCIE1_TXN_N: P1.127
PCIE1_TXN_P: P1.125
PCIE2_REF_CLKN: P1.179
PCIE2_RXN_N: P1.167
PCIE2_RXN_P: P1.169
PCIE2_TXN_N: P1.173
PCIE2_TXN_P: P1.175
PM_LEDS_OE: P1.128 P2.7 | length 27.4
  Top Layer w0.152: P1.128 29.15,52.659 v1(29.45,52.959) ; v1(29.45,42.051) 29.464,42.037 v1(32.131,42.037)
  Bottom Layer w0.152: v1(29.45,42.051) v1(29.45,52.959) ; v1(32.131,42.037) 32.131,48.926 33.242,50.037 P2.7
PMIC_ON_REQ: P1.202
PMIC_STBY_REQ: P1.181
QSPI_B_SS0_B: P1.7
SAI1_RX_DATA_1: P1.136
SAI1_RX_DATA_2: P1.138
SAI1_RX_DATA_3: P1.140
SAI1_RX_DATA_5: P1.139
SAI1_RX_DATA_7: P1.152
SAI1_RX_SYNC: P1.106
SAI1_TX_DATA_2: P1.120
SAI1_TX_DATA_3: P1.122
SAI1_TX_DATA_6: P1.162
SAI1_TX_DATA_7: P1.130
SAI6_RX_BCLK: P1.137
SAI6_RX_DATA_0: P1.143
SAI6_TX_BCLK: P1.194
SAI6_TX_SYNC: P1.145
USB1_ID: P1.174
USB1_RX_N: P1.184
USB1_RX_P: P1.182
USB1_TX_N: P1.190
USB1_TX_P: P1.188
USB1_VBUS_DET: P1.180 R5.1 | length 3.2
  Top Layer w0.254: R5.1 P1.180
USB1D_N: P1.178 P2.42 | length 51.5
  Top Layer w0.203: v1(14.112,49.108) 14.15,49.146 P1.178
  Bottom Layer w0.203: v1(14.112,49.108) 14.247,48.973 14.247,48.727 ccw(c14.914,48.727) 14.914,48.06 15.24,48.06 ccw(c15.24,48.974) 16.154,48.974 16.154,52.248 ccw(c15.117,52.248) 15.117,53.285 14.986,53.285 cw(c14.986,53.521) 14.75,53.521 14.75,57.995 cw(c17.29,57.995) 15.494,59.792 15.893,60.191 cw(c17.689,58.395) 17.689,60.935 20.598,60.935 ccw(c20.598,63.881) 22.682,61.798 24.275,63.391 cw(c26.071,61.595) 26.071,64.135 40.386,64.135 cw(c40.386,62.602) 41.47,63.686 41.529,63.627 cw(c40.901,62.999) 41.789,62.999 41.789,57.749 41.743,57.703 P2.42
USB1D_P: P1.176 P2.44 | length 51.5
  Top Layer w0.203: P1.176 14.75,49.104 v1(14.767,49.087)
  Bottom Layer w0.203: v1(14.767,49.087) 14.653,48.973 14.653,48.727 ccw(c14.914,48.727) 14.914,48.466 15.24,48.466 ccw(c15.24,48.974) 15.748,48.974 15.748,52.248 ccw(c15.117,52.248) 15.117,52.879 14.986,52.879 cw(c14.986,53.521) 14.344,53.521 14.344,57.995 cw(c17.29,57.995) 15.207,60.079 15.606,60.478 cw(c17.689,58.395) 17.689,61.341 20.598,61.341 ccw(c20.598,63.881) 22.394,62.085 23.988,63.678 cw(c26.071,61.595) 26.071,64.541 40.386,64.541 cw(c40.386,62.602) 41.757,63.974 41.816,63.914 cw(c40.901,62.999) 42.196,62.999 42.196,57.749 42.243,57.703 P2.44
USB2_RX_N: P1.160
USB2_RX_P: P1.158
USB2_TX_N: P1.166
USB2_TX_P: P1.164
USB2_VBUS_DET: P1.156 P2.24 R4.1 | length 26.3
  Top Layer w0.152: R4.1@19.685,48.133 R4.1 20.309,47.967 20.687,48.346 20.699,48.346 20.75,48.397 P1.156 20.75,52.437 20.75,53.135 21.209,53.594 29.492,53.594 30.353,52.733 v1(30.353,52.705)
  VCC w0.152: v1(30.353,52.705) 31.496,52.705 32.131,53.34 36.068,53.34 36.703,53.975 36.703,54.497 v1(37.242,55.036)
  Bottom Layer w0.152: v1(37.242,55.036) P2.24
USB2D_N: P1.170 P2.26 | length 35.5
  Top Layer w0.203: P1.170 16.55,52.002 16.453,52.098 16.453,53.918 v1(16.637,54.102)
  Bottom Layer w0.203: v1(16.637,54.102) 16.51,54.229 16.51,57.194 cw(c18.244,57.194) 17.018,58.42 17.773,59.175 cw(c19.569,57.379) 19.569,59.919 21.449,59.919 ccw(c21.449,62.865) 23.532,60.782 24.765,62.015 cw(c26.512,60.268) 26.512,62.738 36.699,62.738 cw(c36.699,61.655) 37.465,62.421 cw(c36.682,61.638) 37.789,61.638 37.789,57.749 37.743,57.703 P2.26
USB2D_P: P1.172 P2.28 | length 36.8
  Top Layer w0.203: v1(15.875,54.102) 16.047,53.93 16.047,52.098 15.95,52.002 P1.172
  Bottom Layer w0.203: v1(15.875,54.102) 16.104,54.331 16.104,57.194 cw(c18.244,57.194) 16.731,58.707 17.485,59.462 cw(c19.569,57.379) 19.569,60.325 21.449,60.325 ccw(c21.449,62.865) 23.245,61.069 24.478,62.302 cw(c26.512,60.268) 26.512,63.144 36.699,63.144 cw(c36.699,61.655) 37.752,62.708 cw(c36.682,61.638) 38.196,61.638 38.196,57.749 38.242,57.703 P2.28
USDHC2_CD_B: P1.61
USDHC2_DATA0: P1.84
USDHC2_DATA1: P1.86
USDHC2_DATA2: P1.88
USDHC2_DATA3: P1.90
USDHC2_WP: P1.67
VRTC: C15.2 P1.183 | length 4.7
  Top Layer w0.305: P1.183 C15.2
pads on no net: P1.187 P1.None P2.1 P2.2 P2.4 P2.6 P2.8 P2.10 P2.12 P2.32 P2.34 P2.38 P2.40 P2.M P3.M P4.M P5.M

## Polygon pours and split planes (outlines as drawn)
GND on Top Layer "Top Layer-GND" (solid, pour order 58): 0,68 0,0 76,0 76,68
+5V on Top Layer "Top Layer-+5V 1" (solid, pour order 22): 21.463,46.99 20.574,46.99 20.32,46.736 19.177,46.736 19.177,45.847 21.336,45.847 21.463,45.974
no net on Top Layer "Top Layer-No Net" (solid, pour order 2): 64.3,6.731
GND on Bottom Layer "Bottom Layer-GND" (solid, remove dead copper, pour order 60): 0,68 76,68 76,0 0,0
+5V on Bottom Layer "Bottom Layer-+5V 1" (solid, pour order 50): 66.548,64.742 64.4,64.742 64.25,64.592 64.25,63.373 65.151,63.373 65.151,60.325 69.088,60.325 69.088,62.992 68.707,63.373 67.691,63.373 66.548,64.516
no net on Bottom Layer "Bottom Layer-No Net 1" (solid, pour order 48): 64.301,64.643
+4V2 on Bottom Layer "Bottom Layer-+4V2" (solid, pour order 46): 76,63.5 69.469,63.5 69.469,61.722 70.231,60.96 70.231,53.201 76,53.201
NetL1_1 on Bottom Layer "Bottom Layer-NetL1_1" (solid, pour order 44): 65.45,64.897 66.742,64.897 67.631,64.008 73.025,64.008 73.025,66.167 72.644,66.548 67.975,66.548 66.578,65.151 65.45,65.151
+4V2 on Bottom Layer "Bottom Layer-+4V2 3" (solid, pour order 42): 69.342,47.244 69.342,48.641 67.691,48.641 67.183,48.133 66.421,48.133 66.421,47.244
+4V2 on Bottom Layer "Bottom Layer-+4V2 1" (solid, pour order 38): 35.773,48.599 34.249,48.599 33.728,48.078 33.063,48.078 33.05,48.091 33.05,47.202 35.773,47.202
+4V2 on Bottom Layer "Bottom Layer-+4V2 2" (solid, pour order 16): 8.763,48.641 7.239,48.641 6.718,48.12 6.053,48.12 6.04,48.133 6.04,47.244 8.763,47.244
+5V on Bottom Layer "Bottom Layer-+5V" (solid, pour order 8): 44.577,52.197 46.609,52.197 46.609,54.102 44.577,54.102 44.577,54.356 47.293,54.356 47.293,53.848 50.292,53.848 50.292,50.419 44.577,50.419
no net on Bottom Layer "Bottom Layer-No Net" (solid, pour order 6): 45.466,52.07
+4V2 on VCC "VCC-+4V2" (solid, pour order 54): 0,0 76,0 76,33.528 76,68 0,68
+5V on VCC "VCC-+5V" (solid, pour order 52): 44.577,50.419 50.292,50.419 50.292,54.864 51.181,55.753 61.087,55.753 63.754,58.42 68.58,58.42 69.088,58.928 69.088,62.992 68.707,63.373 67.691,63.373 66.548,64.516 66.548,64.77 60.452,64.77 56.769,61.087 52.959,61.087 49.022,57.15 45.466,57.15 44.577,56.261
GND on GND (split plane): 75.798,0.202 0.202,0.202 0.202,67.798 75.798,67.798

## Keep-outs
Keep-Out Layer:
  circle w0.2: c38,34 r1.94
  lines w0.1: 0,0 0,68 76,68 76,0 0,0

## Other copper
VCC:
  pour cut-out: 45.466,55.283
Bottom Layer:
  pour cut-out: 33.941,14.097 33.941,12.249 44.045,12.249 44.045,14.097
  pour cut-out: 33.941,15.849 33.941,17.598 43.99,17.598 43.99,15.875 33.931,15.875 33.931,17.598
  pour cut-out: 31.44,54.153 43.434,54.153 43.434,52.252 31.44,52.252
  pour cut-out: 31.44,57.753 45.974,57.753 45.974,55.849 31.44,55.849
  pour cut-out: 13.687,53.594
  pour cut-out: 43.545,54.153 44.44,54.153 44.44,52.249 43.545,52.249

## Silkscreen, mask and mechanical layers (free items; w line width, h text height)
Top Overlay:
  drawing of 1500 lines, arcs and shapes, not listed
  text "Mod Devices GmbH / hppt://moddevices.com /  / [DX-ELE-003] / Adapter Duo2.0-cl-som-imx8 / Rev: 2019.01.21" at 1.905,2.413 h0.8
Mechanical 1:
  lines w0.152: -5.08,54.3 81.407,54.2